# Allegro board SDHCalFEB20180110.brd (continued)
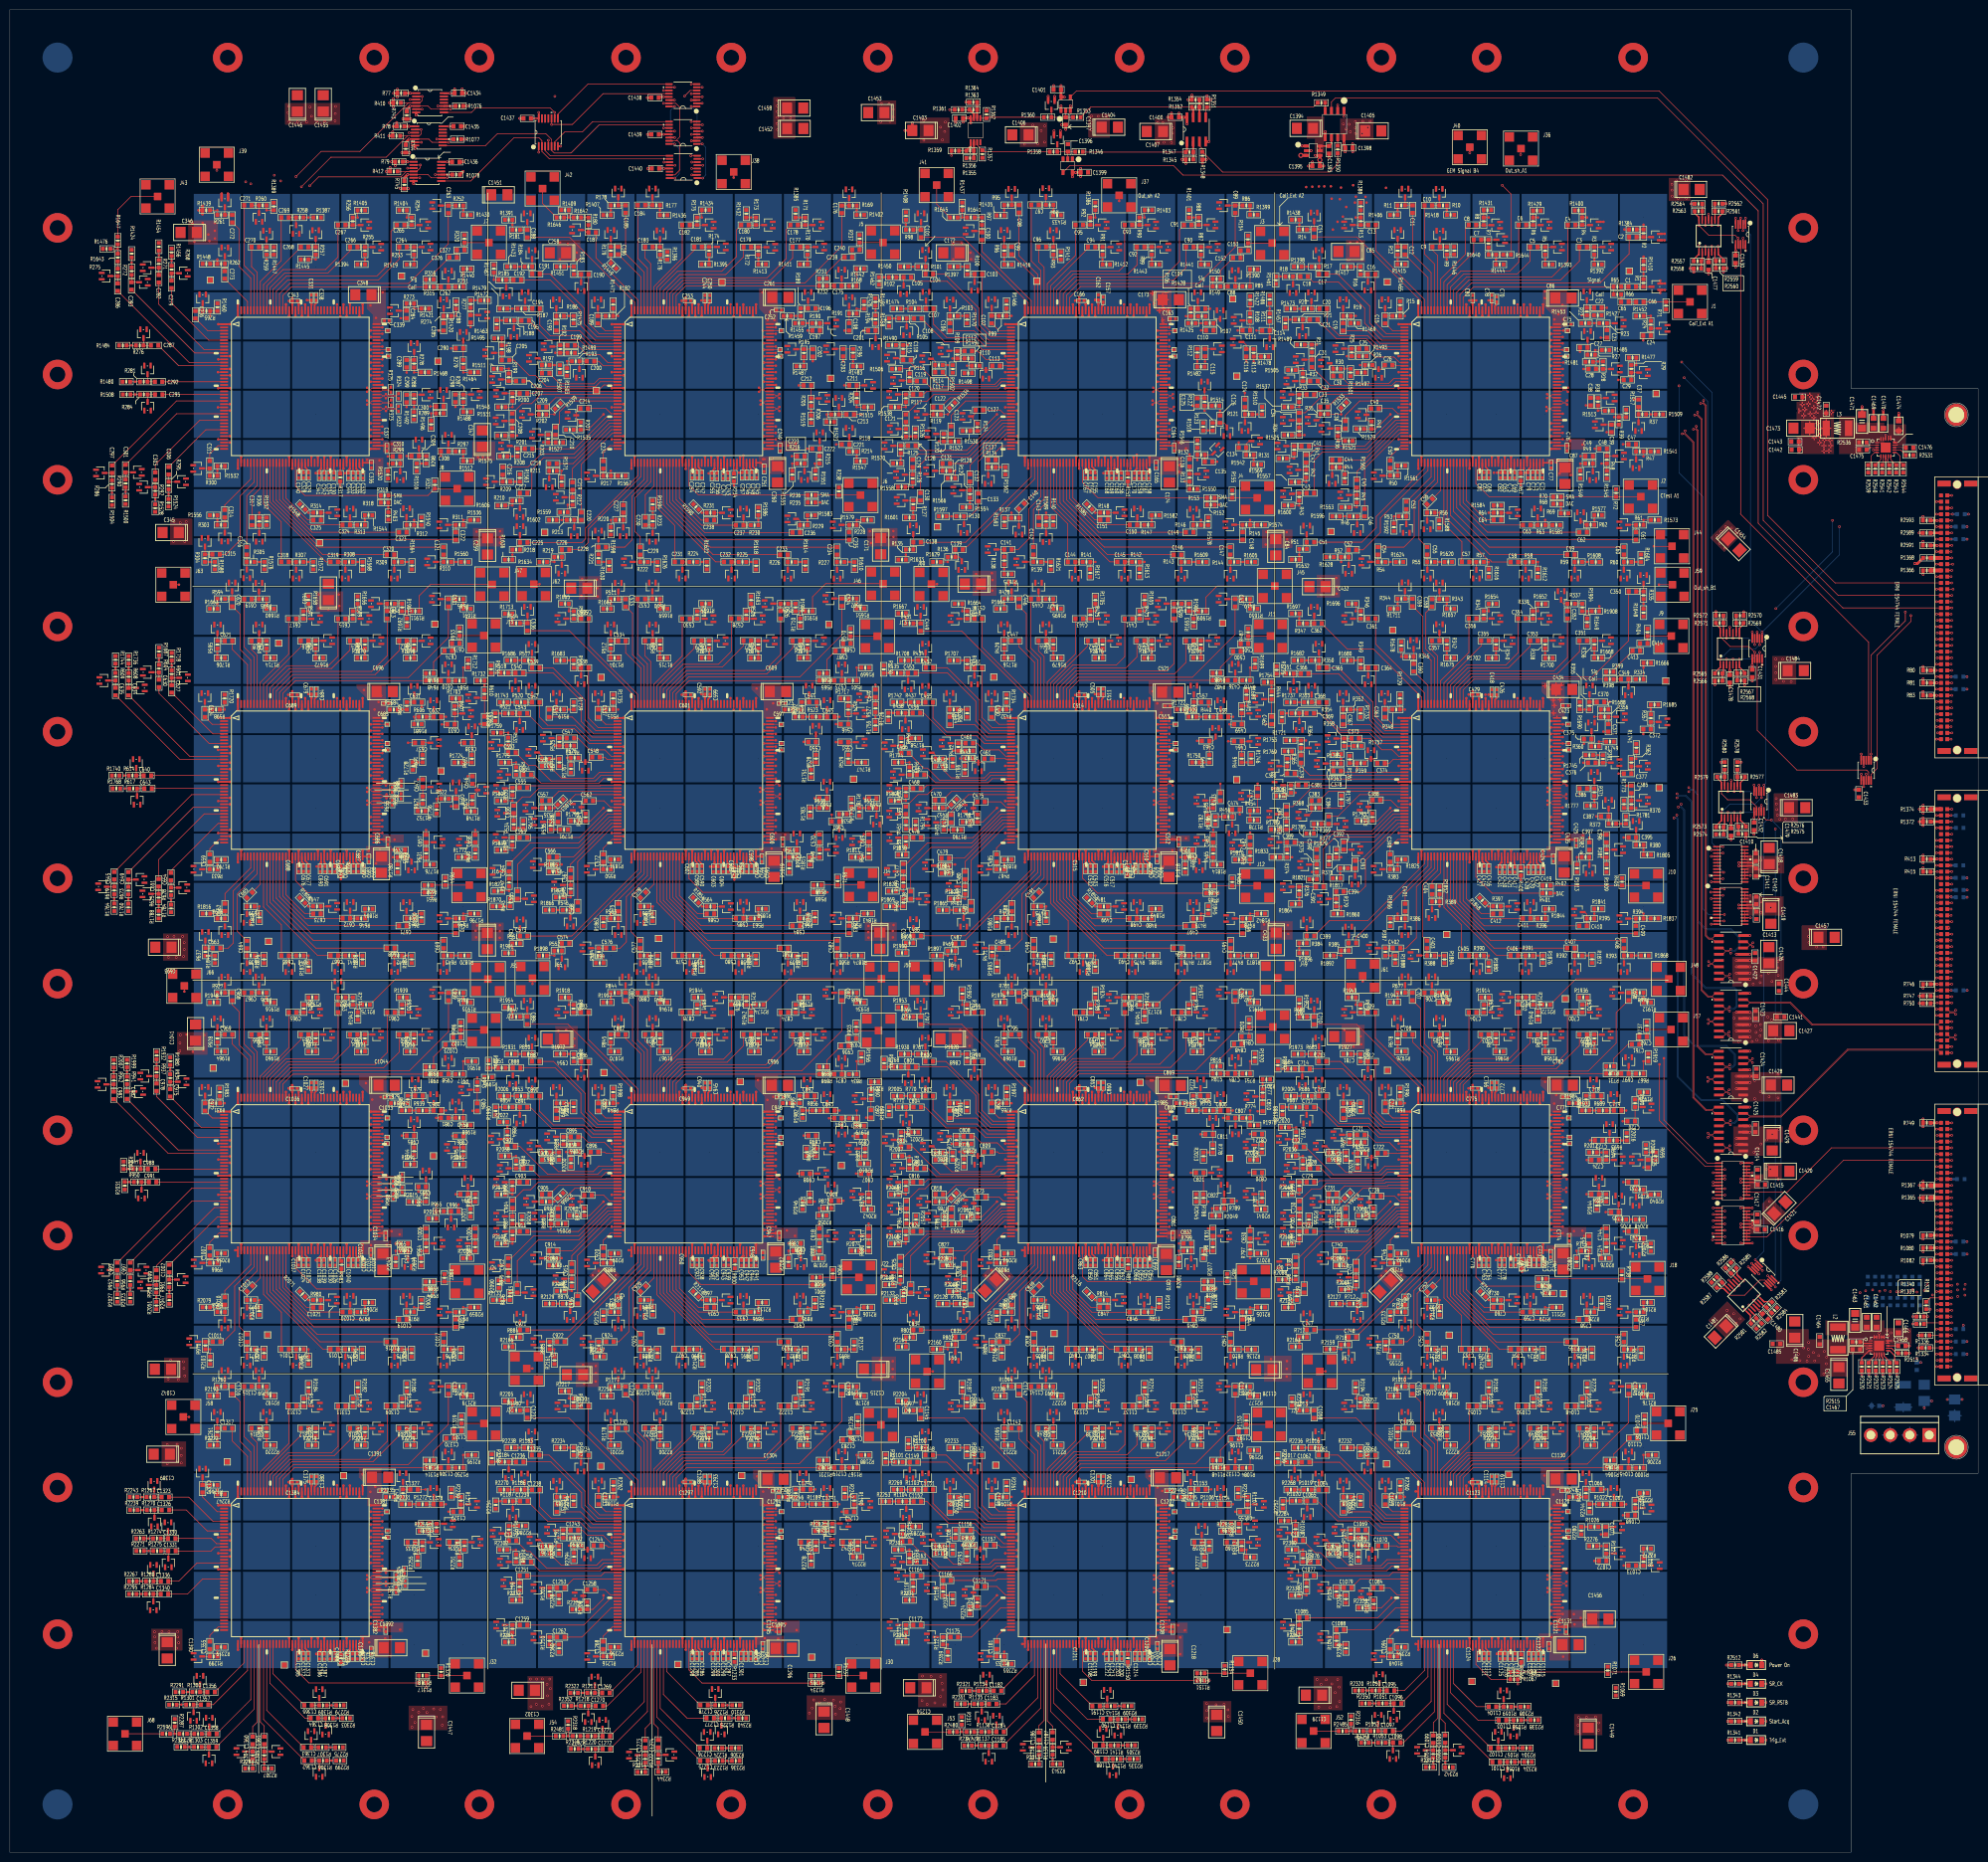
[diagram p0: board, top side]
## Routing (per net, layer and track width the routed paths; a pad name or vN(x,y) marks a point on that pad's centre or on a via; arc(x,y) is an arc through that point) (continued)
  GND3 w0.127: v3(132.2,222.2) v2(130.96,222.2)
GEM_OUT_G26: length 12.1
  TOP w0.127: v1(113.32,222.4) R526.1 114.09,222.39 R1767.2
  GND1 w0.127: v1(113.32,222.4) v2(113.32,221.67)
  SIG3 w0.127: v2(113.32,221.67) 113.33,221.68 v2(121.68,221.68)
  GND3 w0.127: v3(122.2,222.2) v2(121.68,221.68)
GEM_OUT_G27: length 30.8
  TOP w0.127: R527.1 v1(176.02,230.71) 176.02,230.7 R1755.2
  GND1 w0.127: v1(176.02,230.71) v2(175.29,230.71)
  SIG3 w0.127: v2(175.29,230.71) 171.45,230.71 164.74,224 155.3,224 154.69,223.39 153.39,223.39 v2(151.68,221.68)
  GND3 w0.127: v2(151.68,221.68) v3(152.2,222.2)
GEM_OUT_G28: length 4.1
  TOP w0.127: 164.08,221.46 v1(162.94,221.46) 162.94,221.02 R1751.2
  GND1 w0.127: v2(162.2,221.46) v1(162.94,221.46)
  GND3 w0.127: v3(162.2,222.2) v2(162.2,221.46)
GEM_OUT_G29: length 3.4
  TOP w0.127: R1747.2 171.47,221.46 v1(171.46,221.46) 171.46,221.47 R529.1
  GND1 w0.127: v2(172.2,221.46) v1(171.46,221.46)
  GND3 w0.127: v3(172.2,222.2) v2(172.2,221.46)
GEM_OUT_G30: length 3.5
  TOP w0.127: R1771.2 111.72,222.2 v1(110.73,222.2) R530.1
  GND1 w0.127: v2(111.46,222.2) v1(110.73,222.2)
  GND3 w0.127: v3(112.2,222.2) v2(111.46,222.2)
GEM_OUT_G31: length 45.9
  TOP w0.127: R1759.2 100.43,227.49 100.43,227.48 v1(101.35,227.48) R531.1
  GND1 w0.127: v2(101.93,227.94) 101.8,227.94 v1(101.35,227.48)
  SIG3 w0.127: v2(141.3,222.2) 140.73,222.77 123,222.77 117.83,227.94 v2(101.93,227.94)
  GND3 w0.127: v3(142.2,222.2) v2(141.3,222.2)
GEM_OUT_G32: length 3.9
  TOP w0.127: R1775.2 102.47,221.44 102.49,221.46 v1(102.94,221.46) 102.94,220.5 R532.1
  GND1 w0.127: v2(102.2,221.46) v1(102.94,221.46)
  GND3 w0.127: v3(102.2,222.2) v2(102.2,221.46)
GEM_OUT_G33: length 4.1
  TOP w0.127: R533.1 102.2,214.81 v1(102.2,213.67) 101.27,213.67 101.26,213.69 R1807.2
  GND1 w0.127: v2(102.2,212.94) v1(102.2,213.67)
  GND3 w0.127: v3(102.2,212.2) v2(102.2,212.94)
GEM_OUT_G34: length 32.4
  TOP w0.127: R534.1 v1(103.43,208.11) 103.44,208.1 R1795.2
  GND1 w0.127: v1(103.43,208.11) v2(104.17,208.11)
  SIG3 w0.127: v2(104.17,208.11) 120.07,208.11 124.16,212.2 v2(131.46,212.2)
  GND3 w0.127: v3(132.2,212.2) v2(131.46,212.2)
GEM_OUT_G35: length 3.5
  TOP w0.127: R535.1 109.73,212.2 v1(110.73,212.2) 110.74,212.2 R1803.2
  GND1 w0.127: v2(111.46,212.2) v1(110.73,212.2)
  GND3 w0.127: v3(112.2,212.2) v2(111.46,212.2)
GEM_OUT_G36: length 36.1
  TOP w0.127: R1791.2 111.92,207.83 v1(110.95,207.83) R536.1
  GND1 w0.127: v1(110.95,207.83) v2(110.95,207.09)
  SIG3 w0.127: v2(110.95,207.09) 120.91,207.09 124.89,211.07 139.83,211.07 v2(140.95,212.2)
  GND3 w0.127: v3(142.2,212.2) v2(140.95,212.2)
GEM_OUT_G37: length 3.5
  TOP w0.127: R1779.2 v1(173.67,212.2) 174.12,212.2 174.13,212.22 R537.1
  GND1 w0.127: v2(172.94,212.2) v1(173.67,212.2)
  GND3 w0.127: v3(172.2,212.2) v2(172.94,212.2)
GEM_OUT_G38: length 3.4
  TOP w0.127: R1783.2 163.67,212.2 v1(163.67,212.2) 163.69,212.22 R538.1
  GND1 w0.127: v2(162.94,212.2) v1(163.67,212.2)
  GND3 w0.127: v3(162.2,212.2) v2(162.94,212.2)
GEM_OUT_G39: length 23.9
  TOP w0.127: R539.1 v1(171.15,210.96) 171.15,211.41 171.15,211.41 R1787.2
  GND1 w0.127: v2(170.41,210.96) v1(171.15,210.96)
  SIG3 w0.127: v2(170.41,210.96) 169.74,211.63 163.18,211.63 163.17,211.63 162.7,211.63 162.7,211.63 151.79,211.63 v2(151.22,212.2)
  GND3 w0.127: v3(152.2,212.2) v2(151.22,212.2)
GEM_OUT_G40: length 7.7
  TOP w0.127: v1(120.73,212.2) 118.08,209.55 R540.1 R1799.2
  GND1 w0.127: v2(121.46,212.2) v1(120.73,212.2)
  GND3 w0.127: v3(122.2,212.2) v2(121.46,212.2)
GEM_OUT_G41: length 4
  TOP w0.127: R541.1 102.18,203.69 v1(102.2,203.67) 102.18,203.66 R1839.2
  GND1 w0.127: v2(102.2,202.94) v1(102.2,203.67)
  GND3 w0.127: v3(102.2,202.2) v2(102.2,202.94)
GEM_OUT_G42: length 37
  TOP w0.127: R1827.2 v1(101.52,195.33) R542.1
  GND1 w0.127: v2(101.52,196.06) v1(101.52,195.33)
  SIG3 w0.127: v2(101.52,196.06) 126.97,196.06 v2(132.2,201.29)
  GND3 w0.127: v3(132.2,202.2) v2(132.2,201.29)
GEM_OUT_G43: length 3.5
  TOP w0.127: R543.1 101.72,192.2 v1(100.73,192.2) 99.72,192.2 R1870.2
  GND1 w0.127: v2(101.46,192.2) v1(100.73,192.2)
  GND3 w0.127: v3(102.2,192.2) v2(101.46,192.2)
GEM_OUT_G44: length 3.9
  TOP w0.127: R1835.2 R544.1 112.2,200.73 v1(112.2,200.73)
  GND1 w0.127: v2(112.2,201.46) v1(112.2,200.73)
  GND3 w0.127: v3(112.2,202.2) v2(112.2,201.46)
GEM_OUT_G45: length 34.9
  TOP w0.127: R545.1 v1(114.04,194.06) R1823.2
  GND1 w0.127: v2(114.04,194.79) v1(114.04,194.06)
  SIG3 w0.127: v2(114.04,194.79) 135.53,194.79 v2(142.2,201.46)
  GND3 w0.127: v3(142.2,202.2) v2(142.2,201.46)
GEM_OUT_G46: length 3.5
  TOP w0.127: R1866.2 110.47,191.46 v1(111.46,191.46) 112.44,191.46 R546.1
  GND1 w0.127: v2(112.2,191.46) v1(111.46,191.46)
  GND3 w0.127: v3(112.2,192.2) v2(112.2,191.46)
GEM_OUT_G47: length 3.4
  TOP w0.127: R547.1 173.68,202.21 v1(173.67,202.2) 173.66,202.21 R1811.2
  GND1 w0.127: v2(172.94,202.2) v1(173.67,202.2)
  GND3 w0.127: v3(172.2,202.2) v2(172.94,202.2)
GEM_OUT_G48: length 3.4
  TOP w0.127: R1815.2 163.66,202.21 v1(163.67,202.2) 163.68,202.21 R548.1
  GND1 w0.127: v2(162.94,202.2) v1(163.67,202.2)
  GND3 w0.127: v3(162.2,202.2) v2(162.94,202.2)
GEM_OUT_G49: length 7.8
  TOP w0.127: v1(157.53,202.2) 158.49,202.2 R549.1 R1819.2
  GND1 w0.127: v2(156.79,202.2) v1(157.53,202.2)
  SIG3 w0.127: v2(152.94,202.2) v2(156.79,202.2)
  GND3 w0.127: v3(152.2,202.2) v2(152.94,202.2)
GEM_OUT_G50: length 3.5
  TOP w0.127: R1831.2 122.2,200.73 v1(122.2,200.73) R550.1
  GND1 w0.127: v2(122.2,201.46) v1(122.2,200.73)
  GND3 w0.127: v3(122.2,202.2) v2(122.2,201.46)
GEM_OUT_G51: length 3.4
  TOP w0.127: R551.1 102.2,184.66 v1(102.2,183.67) 102.2,182.71 R1901.2
  GND1 w0.127: v2(102.2,182.94) v1(102.2,183.67)
  GND3 w0.127: v3(102.2,182.2) v2(102.2,182.94)
GEM_OUT_G52: length 4
  TOP w0.127: R1898.2 109.18,182.2 v1(110.73,182.2) 110.73,183.19 R552.1
  GND1 w0.127: v2(111.46,182.2) v1(110.73,182.2)
  GND3 w0.127: v3(112.2,182.2) v2(111.46,182.2)
GEM_OUT_G53: length 4
  TOP w0.127: v1(122.2,190.73) R553.1 120.72,189.72 R1862.2
  GND1 w0.127: v2(122.2,191.46) v1(122.2,190.73)
  GND3 w0.127: v3(122.2,192.2) v2(122.2,191.46)
GEM_OUT_G54: length 4
  TOP w0.127: R1894.2 v1(120.73,182.2) 119.76,182.2 R554.1
  GND1 w0.127: v2(121.46,182.2) v1(120.73,182.2)
  GND3 w0.127: v3(122.2,182.2) v2(121.46,182.2)
GEM_OUT_G55: length 3.5
  TOP w0.127: R555.1 129.73,182.2 v1(130.73,182.2) 131.72,182.2 R1890.2
  GND1 w0.127: v2(131.46,182.2) v1(130.73,182.2)
  GND3 w0.127: v3(132.2,182.2) v2(131.46,182.2)
GEM_OUT_G56: length 3.9
  TOP w0.127: R1858.2 130.73,190.75 v1(130.73,192.2) 129.78,192.2 R556.1
  GND1 w0.127: v2(131.46,192.2) v1(130.73,192.2)
  GND3 w0.127: v3(132.2,192.2) v2(131.46,192.2)
GEM_OUT_G57: length 3.9
  TOP w0.127: R1886.2 140.73,180.76 v1(140.73,182.2) 139.76,182.2 R557.1
  GND1 w0.127: v2(141.46,182.2) v1(140.73,182.2)
  GND3 w0.127: v3(142.2,182.2) v2(141.46,182.2)
GEM_OUT_G58: length 3.4
  TOP w0.127: R558.1 149.77,182.2 v1(150.73,182.2) 151.71,182.2 R1882.2
  GND1 w0.127: v2(151.46,182.2) v1(150.73,182.2)
  GND3 w0.127: v3(152.2,182.2) v2(151.46,182.2)
GEM_OUT_G59: length 3.4
  TOP w0.127: R1878.2 161.69,182.2 v1(160.73,182.2) 159.76,182.2 R559.1
  GND1 w0.127: v2(161.46,182.2) v1(160.73,182.2)
  GND3 w0.127: v3(162.2,182.2) v2(161.46,182.2)
GEM_OUT_G60: length 3.4
  TOP w0.127: R1874.2 171.7,182.2 v1(170.73,182.2) 169.76,182.2 R560.1
  GND1 w0.127: v2(171.46,182.2) v1(170.73,182.2)
  GND3 w0.127: v3(172.2,182.2) v2(171.46,182.2)
GEM_OUT_G61: length 3.9
  TOP w0.127: R1843.2 173.68,190.73 v1(172.2,190.73) 172.2,189.77 R561.1
  GND1 w0.127: v2(172.2,191.46) v1(172.2,190.73)
  GND3 w0.127: v3(172.2,192.2) v2(172.2,191.46)
GEM_OUT_G62: length 4
  TOP w0.127: R1846.2 163.7,190.73 v1(162.2,190.73) 162.2,189.76 R562.1
  GND1 w0.127: v2(162.2,191.46) v1(162.2,190.73)
  GND3 w0.127: v3(162.2,192.2) v2(162.2,191.46)
GEM_OUT_G63: length 3.4
  TOP w0.127: R1850.2 152.2,191.69 v1(152.2,190.73) 152.2,189.76 R563.1
  GND1 w0.127: v2(152.2,191.46) v1(152.2,190.73)
  GND3 w0.127: v3(152.2,192.2) v2(152.2,191.46)
GEM_OUT_G64: length 3.5
  TOP w0.127: R564.1 141.69,192.2 v1(140.73,192.2) 140.73,192.23 R1854.2
  GND1 w0.127: v2(141.46,192.2) v1(140.73,192.2)
  GND3 w0.127: v3(142.2,192.2) v2(141.46,192.2)
GEM_OUT_H1: length 5.1
  TOP w0.127: R584.1 92.19,238.67 92.2,238.68 v1(92.2,240.73) 93.17,240.73 R1712.2
  GND1 w0.127: v2(92.2,241.46) v1(92.2,240.73)
  GND3 w0.127: v3(92.2,242.2) v2(92.2,241.46)
GEM_OUT_H2: length 3.4
  TOP w0.127: R585.1 92.19,253.68 v1(92.2,253.67) 92.19,253.67 R1691.2
  GND1 w0.127: v2(92.2,252.94) v1(92.2,253.67)
  GND3 w0.127: v3(92.2,252.2) v2(92.2,252.94)
GEM_OUT_H3: length 3.4
  TOP w0.127: R1698.2 82.2,243.67 v1(82.2,243.67) 82.19,243.68 R586.1
  GND1 w0.127: v2(82.2,242.94) v1(82.2,243.67)
  GND3 w0.127: v3(82.2,242.2) v2(82.2,242.94)
GEM_OUT_H4: length 1.5
  TOP w0.127: R587.1 R1907.1
GEM_OUT_H5: length 3.4
  TOP w0.127: R1670.2 72.2,243.67 v1(72.2,243.67) 72.19,243.69 R588.1
  GND1 w0.127: v2(72.2,242.94) v1(72.2,243.67)
  GND3 w0.127: v3(72.2,242.2) v2(72.2,242.94)
GEM_OUT_H6: length 3.9
  TOP w0.127: R589.1 69.76,252.2 v1(70.73,252.2) 70.73,252.64 70.72,252.65 R1656.2
  GND1 w0.127: v2(71.46,252.2) v1(70.73,252.2)
  GND3 w0.127: v3(72.2,252.2) v2(71.46,252.2)
GEM_OUT_H7: length 3.5
  TOP w0.127: R590.1 62.18,243.69 v1(62.2,243.67) 62.2,242.7 R1672.2
  GND1 w0.127: v2(62.2,242.94) v1(62.2,243.67)
  GND3 w0.127: v3(62.2,242.2) v2(62.2,242.94)
GEM_OUT_H8: length 4
  TOP w0.127: R1658.2 60.71,252.66 60.73,252.64 v1(60.73,252.2) 60.71,252.19 R591.1
  GND1 w0.127: v2(61.46,252.2) v1(60.73,252.2)
  GND3 w0.127: v3(62.2,252.2) v2(61.46,252.2)
GEM_OUT_H9: length 3.4
  TOP w0.127: R592.1 52.2,243.68 v1(52.2,243.67) 52.19,243.66 R1714.2
  GND1 w0.127: v2(52.2,242.94) v1(52.2,243.67)
  GND3 w0.127: v3(52.2,242.2) v2(52.2,242.94)
GEM_OUT_H10: length 3.4
  TOP w0.127: R593.1 52.2,253.68 v1(52.2,253.67) 52.19,253.66 R1660.2
  GND1 w0.127: v2(52.2,252.94) v1(52.2,253.67)
  GND3 w0.127: v3(52.2,252.2) v2(52.2,252.94)
GEM_OUT_H11: length 3.5
  TOP w0.127: R1663.2 42.2,252.68 v1(42.2,253.67) 42.2,253.68 R594.1
  GND1 w0.127: v2(42.2,252.94) v1(42.2,253.67)
  GND3 w0.127: v3(42.2,252.2) v2(42.2,252.94)
GEM_OUT_H12: length 3.4
  TOP w0.127: R1706.2 42.21,243.67 v1(42.2,243.67) 42.21,243.69 R595.1
  GND1 w0.127: v2(42.2,242.94) v1(42.2,243.67)
  GND3 w0.127: v3(42.2,242.2) v2(42.2,242.94)
GEM_OUT_H15: length 4
  TOP w0.127: R1720.2 43.67,233.69 v1(43.67,232.2) 43.67,232.21 R598.1
  GND1 w0.127: v2(42.94,232.2) v1(43.67,232.2)
  GND3 w0.127: v3(42.2,232.2) v2(42.94,232.2)
GEM_OUT_H18: length 25.9
  TOP w0.127: R1718.2 32.92,241.6 32.92,241.59 v1(32.92,241.15) R601.1
  GND1 w0.127: v2(32.92,240.41) v1(32.92,241.15)
  SIG3 w0.127: v2(52.2,232.94) 40.39,232.94 v2(32.92,240.41)
  GND3 w0.127: v3(52.2,232.2) v2(52.2,232.94)
GEM_OUT_H21: length 39.5
  TOP w0.127: R604.1 v1(30.33,242.27) 30.33,242.27 R1687.2
  GND1 w0.127: v2(30.33,241.53) v1(30.33,242.27)
  SIG3 w0.127: v2(62.2,231.46) 40.39,231.46 v2(30.33,241.53)
  GND3 w0.127: v3(62.2,232.2) v2(62.2,231.46)
GEM_OUT_H22: length 10.4
  TOP w0.127: R1684.2 78.84,232.2 v1(79.76,232.2) ; R605.1 80.71,232.2 v1(79.76,232.2) ; v1(79.76,232.2) 79.75,232.2 78.77,232.2
  GND1 w0.127: v2(79.02,232.2) v1(79.76,232.2)
  SIG3 w0.127: v2(72.94,232.2) v2(79.02,232.2)
  GND3 w0.127: v3(72.2,232.2) v2(72.94,232.2)
GEM_OUT_H23: length 3.9
  TOP w0.127: R1681.2 82.2,229.24 v1(82.2,230.73) 83.16,230.73 R606.1
  GND1 w0.127: v2(82.2,231.46) v1(82.2,230.73)
  GND3 w0.127: v3(82.2,232.2) v2(82.2,231.46)
GEM_OUT_H24: length 4
  TOP w0.127: R607.1 91.46,232.93 v1(91.46,232.94) 91.46,233.38 91.45,233.4 R1703.2
  GND1 w0.127: v1(91.46,232.94) v2(92.2,232.94)
  GND3 w0.127: v3(92.2,232.2) v2(92.2,232.94)
GEM_OUT_H25: length 48
  TOP w0.127: R1736.2 24.16,240.59 v1(24.16,240.59) R608.1
  GND1 w0.127: v2(24.16,239.85) v1(24.16,240.59)
  SIG3 w0.127: v2(24.16,239.85) 40.82,223.19 43.74,223.19 44.14,222.79 54.86,222.79 55.45,222.2 v2(61.46,222.2)
  GND3 w0.127: v3(62.2,222.2) v2(61.46,222.2)
GEM_OUT_H26: length 31.8
  TOP w0.127: R1744.2 21.49,240.59 v1(21.49,240.59) R609.1
  GND1 w0.127: v2(21.49,239.85) v1(21.49,240.59)
  SIG3 w0.127: v2(41.46,222.2) 37.23,222.2 21.49,237.94 v2(21.49,239.85)
  GND3 w0.127: v3(42.2,222.2) v2(41.46,222.2)
GEM_OUT_H27: length 38.8
  TOP w0.127: R610.1 v1(96.52,237.11) 96.53,237.12 R1732.2
  GND1 w0.127: v1(96.52,237.11) v2(96.52,236.37)
  SIG3 w0.127: v2(96.52,236.37) 96.52,228.85 94.95,227.28 90.75,227.28 87.48,224 74.3,224 72.49,222.2 v2(71.46,222.2)
  GND3 w0.127: v3(72.2,222.2) v2(71.46,222.2)
GEM_OUT_H28: length 3.4
  TOP w0.127: R611.1 82.95,221.47 v1(82.94,221.46) 82.93,221.47 R1728.2
  GND1 w0.127: v1(82.94,221.46) 82.8,221.46 82.2,221.46 v2(82.2,221.46)
  GND3 w0.127: v3(82.2,222.2) v2(82.2,221.46)
GEM_OUT_H29: length 3.5
  TOP w0.127: R1724.2 92.91,221.44 v1(92.94,221.46) 92.95,221.45 R612.1
  GND1 w0.127: v2(92.2,221.46) v1(92.94,221.46)
  GND3 w0.127: v3(92.2,222.2) v2(92.2,221.46)
GEM_OUT_H31: length 31.3
  TOP w0.127: R614.1 v1(23.24,218.8)
  GND1 w0.127: v1(23.24,218.8) v2(23.98,218.8)
  SIG3 w0.127: v2(23.98,218.8) 39.32,218.8 42.72,222.2 v2(51.26,222.2)
  GND3 w0.127: v3(52.2,222.2) v2(51.26,222.2)
GEM_OUT_H34: length 21.4
  TOP w0.127: v1(23.39,216.15) R617.1
  GND1 w0.127: v2(24.13,216.15) v1(23.39,216.15)
  SIG3 w0.127: v2(24.13,216.15) 28.08,212.2 v2(41.46,212.2)
  GND3 w0.127: v3(42.2,212.2) v2(41.46,212.2)
GEM_OUT_H36: length 41
  TOP w0.127: R1764.2 21.23,193.72 v1(21.23,193.73) R619.1
  GND1 w0.127: v2(21.23,194.46) v1(21.23,193.73)
  SIG3 w0.127: v2(51.46,212.2) 49.91,210.64 37.41,210.64 v2(21.23,194.46)
  GND3 w0.127: v3(52.2,212.2) v2(51.46,212.2)
GEM_OUT_H37: length 4
  TOP w0.127: R620.1 93.95,212.94 v1(93.01,212.94) 93.01,212.49 93.01,212.48 R1748.2
  GND1 w0.127: v2(93.01,212.2) v1(93.01,212.94)
  GND3 w0.127: v3(92.2,212.2) v2(93.01,212.2)
GEM_OUT_H38: length 3.9
  TOP w0.127: R621.1 83.06,213.06 v1(82.94,212.94) 82.94,212.19 82.95,212.17 R1752.2
  GND1 w0.127: v2(82.94,212.2) v1(82.94,212.94)
  GND3 w0.127: v3(82.2,212.2) v2(82.94,212.2)
GEM_OUT_H39: length 19.8
  TOP w0.127: R1756.2 86.79,213.62 86.79,213.63 v1(86.79,214.07) R622.1
  GND1 w0.127: v2(86.06,214.07) v1(86.79,214.07)
  SIG3 w0.127: v2(86.06,214.07) 84.73,214.07 83.57,212.9 75.56,212.9 74.86,212.2 v2(71.16,212.2)
  GND3 w0.127: v3(72.2,212.2) v2(71.16,212.2)
GEM_OUT_H40: length 48.1
  TOP w0.127: R1760.2 24.1,193.7 v1(24.1,193.7) R623.1
  GND1 w0.127: v2(24.1,194.44) v1(24.1,193.7)
  SIG3 w0.127: v2(61.46,212.2) 58.79,209.52 39.19,209.52 v2(24.1,194.44)
  GND3 w0.127: v3(62.2,212.2) v2(61.46,212.2)
GEM_OUT_H42: length 28.9
  TOP w0.127: R625.1 v1(30.27,192.25) 30.27,192.25 R1788.2
  GND1 w0.127: v1(30.27,192.25) v2(30.27,192.99)
  SIG3 w0.127: v2(52.2,201.46) 49.14,198.4 35.68,198.4 v2(30.27,192.99)
  GND3 w0.127: v3(52.2,202.2) v2(52.2,201.46)
GEM_OUT_H45: length 35.8
  TOP w0.127: R628.1 v1(32.78,193.52) 32.79,193.52 R1784.2
  GND1 w0.127: v2(32.78,194.26) v1(32.78,193.52)
  SIG3 w0.127: v2(32.78,194.26) 55,194.26 v2(62.2,201.46)
  GND3 w0.127: v3(62.2,202.2) v2(62.2,201.46)
GEM_OUT_H47: length 3.4
  TOP w0.127: R1772.2 93.66,202.21 v1(93.67,202.2) 93.68,202.21 R630.1
  GND1 w0.127: v2(92.94,202.2) v1(93.67,202.2)
  GND3 w0.127: v3(92.2,202.2) v2(92.94,202.2)
GEM_OUT_H48: length 4
  TOP w0.127: v1(83.67,202.2) 83.68,202.21 R631.1 84.65,200.71 R1776.2
  GND1 w0.127: v2(82.94,202.2) v1(83.67,202.2)
  GND3 w0.127: v3(82.2,202.2) v2(82.94,202.2)
GEM_OUT_H49: length 8.1
  TOP w0.127: v1(77.9,202.2) 78.83,202.2 R632.1 78.84,202.19 R1780.2
  GND1 w0.127: v2(77.17,202.2) v1(77.9,202.2)
  SIG3 w0.127: v2(72.94,202.2) v2(77.17,202.2)
  GND3 w0.127: v3(72.2,202.2) v2(72.94,202.2)
GEM_OUT_H50: length 3.4
  TOP w0.127: R1792.2 42.21,200.73 v1(42.2,200.73) 42.19,200.72 R633.1
  GND1 w0.127: v2(42.2,201.46) v1(42.2,200.73)
  GND3 w0.127: v3(42.2,202.2) v2(42.2,201.46)
GEM_OUT_H53: length 4
  TOP w0.127: R1816.2 40.72,190.73 v1(42.2,190.73) 42.2,189.74 R636.1
  GND1 w0.127: v2(42.2,191.46) v1(42.2,190.73)
  GND3 w0.127: v3(42.2,192.2) v2(42.2,191.46)
GEM_OUT_H54: length 3.4
  TOP w0.127: R637.1 39.77,182.2 v1(40.73,182.2) 41.7,182.2 R1840.2
  GND1 w0.127: v2(41.46,182.2) v1(40.73,182.2)
  GND3 w0.127: v3(42.2,182.2) v2(41.46,182.2)
GEM_OUT_H55: length 3.4
  TOP w0.127: R1836.2 51.68,182.2 v1(50.73,182.2) 49.74,182.2 R638.1
  GND1 w0.127: v2(51.46,182.2) v1(50.73,182.2)
  GND3 w0.127: v3(52.2,182.2) v2(51.46,182.2)
GEM_OUT_H56: length 4
  TOP w0.127: R639.1 49.74,192.2 v1(50.73,192.2) 50.73,190.71 R1812.2
  GND1 w0.127: v2(51.46,192.2) v1(50.73,192.2)
  GND3 w0.127: v3(52.2,192.2) v2(51.46,192.2)
GEM_OUT_H57: length 3.9
  TOP w0.127: R1832.2 60.73,180.73 v1(60.73,182.2) 59.78,182.2 R640.1
  GND1 w0.127: v2(61.46,182.2) v1(60.73,182.2)
  GND3 w0.127: v3(62.2,182.2) v2(61.46,182.2)
GEM_OUT_H58: length 3.4
  TOP w0.127: R1828.2 71.7,182.2 v1(70.73,182.2) 69.78,182.2 R641.1
  GND1 w0.127: v2(71.46,182.2) v1(70.73,182.2)
  GND3 w0.127: v3(72.2,182.2) v2(71.46,182.2)
GEM_OUT_H59: length 3.4
  TOP w0.127: R1824.2 80.73,182.19 v1(80.73,182.2) 79.77,182.2 R642.1
  GND1 w0.127: v2(81.46,182.2) v1(80.73,182.2)
  GND3 w0.127: v3(82.2,182.2) v2(81.46,182.2)
GEM_OUT_H60: length 3.4
  TOP w0.127: R643.1 89.75,182.2 v1(90.73,182.2) 91.67,182.2 R1820.2
  GND1 w0.127: v2(91.46,182.2) v1(90.73,182.2)
  GND3 w0.127: v3(92.2,182.2) v2(91.46,182.2)
GEM_OUT_H61: length 3.9
  TOP w0.127: R644.1 92.2,189.76 v1(92.2,190.73) 93.7,190.73 R1796.2
  GND1 w0.127: v2(92.2,191.46) v1(92.2,190.73)
  GND3 w0.127: v3(92.2,192.2) v2(92.2,191.46)
GEM_OUT_H62: length 3.9
  TOP w0.127: R1800.2 83.69,190.73 v1(82.2,190.73) 82.2,189.76 R645.1
  GND1 w0.127: v2(82.2,191.46) v1(82.2,190.73)
  GND3 w0.127: v3(82.2,192.2) v2(82.2,191.46)
GEM_OUT_H63: length 3.4
  TOP w0.127: R646.1 72.2,189.77 v1(72.2,190.73) 72.2,191.68 R1804.2
  GND1 w0.127: v2(72.2,191.46) v1(72.2,190.73)
  GND3 w0.127: v3(72.2,192.2) v2(72.2,191.46)
GEM_OUT_H64: length 3.4
  TOP w0.127: R647.1 61.69,192.2 v1(60.73,192.2) 60.71,192.2 R1808.2
  GND1 w0.127: v2(61.46,192.2) v1(60.73,192.2)
  GND3 w0.127: v3(62.2,192.2) v2(61.46,192.2)
GEM_OUT_I1: length 5
  TOP w0.127: R667.1 332.2,158.81 332.2,158.82 v1(332.2,160.73) 333.17,160.73 R1919.2
  GND1 w0.127: v2(332.2,161.46) v1(332.2,160.73)
  GND3 w0.127: v3(332.2,162.2) v2(332.2,161.46)
GEM_OUT_I2: length 3.4
  TOP w0.127: R668.1 332.2,174.65 v1(332.2,173.67) 332.2,172.7 R1912.2
  GND1 w0.127: v2(332.2,172.94) v1(332.2,173.67)
  GND3 w0.127: v3(332.2,172.2) v2(332.2,172.94)
GEM_OUT_I3: length 3.4
  TOP w0.127: R1957.2 322.2,162.7 v1(322.2,163.67) R669.1
  GND1 w0.127: v2(322.2,162.94) v1(322.2,163.67)
  GND3 w0.127: v3(322.2,162.2) v2(322.2,162.94)
GEM_OUT_I4: length 4
  TOP w0.127: R670.1 319.76,172.2 v1(320.73,172.2) 320.73,172.2 R1936.2
  GND1 w0.127: v2(321.46,172.2) v1(320.73,172.2)
  GND3 w0.127: v3(322.2,172.2) v2(321.46,172.2)
GEM_OUT_I5: length 3.4
  TOP w0.127: R671.1 312.19,163.68 v1(312.2,163.67) 312.2,162.73 R1958.2
  GND1 w0.127: v2(312.2,162.94) v1(312.2,163.67)
  GND3 w0.127: v3(312.2,162.2) v2(312.2,162.94)
GEM_OUT_I6: length 1.5
  TOP w0.127: R2168.1 R672.1
GEM_OUT_I7: length 3.4
  TOP w0.127: R673.1 302.2,164.64 v1(302.2,163.67) R1961.2
  GND1 w0.127: v2(302.2,162.94) v1(302.2,163.67)
  GND3 w0.127: v3(302.2,162.2) v2(302.2,162.94)
GEM_OUT_I8: length 4
  TOP w0.127: R1914.2 300.73,173.7 v1(300.73,172.2) 299.75,172.2 R674.1
  GND1 w0.127: v2(301.46,172.2) v1(300.73,172.2)
  GND3 w0.127: v3(302.2,172.2) v2(301.46,172.2)
GEM_OUT_I9: length 3.4
  TOP w0.127: R675.1 292.2,164.65 v1(292.2,163.67) 292.2,162.7 R1965.2
  GND1 w0.127: v2(292.2,162.94) v1(292.2,163.67)
  GND3 w0.127: v3(292.2,162.2) v2(292.2,162.94)
GEM_OUT_I10: length 3.4
  TOP w0.127: R676.1 292.2,174.64 v1(292.2,173.67) 292.2,172.72 R1945.2
  GND1 w0.127: v2(292.2,172.94) v1(292.2,173.67)
  GND3 w0.127: v3(292.2,172.2) v2(292.2,172.94)
GEM_OUT_I11: length 3.4
  TOP w0.127: R677.1 282.2,174.65 v1(282.2,173.67) 282.2,172.73 R1947.2
  GND1 w0.127: v2(282.2,172.94) v1(282.2,173.67)
  GND3 w0.127: v3(282.2,172.2) v2(282.2,172.94)
GEM_OUT_I12: length 3.4
  TOP w0.127: R678.1 282.2,164.63 v1(282.2,163.67) 282.2,162.72 R1926.2
  GND1 w0.127: v2(282.2,162.94) v1(282.2,163.67)
  GND3 w0.127: v3(282.2,162.2) v2(282.2,162.94)
GEM_OUT_I13: length 4
  TOP w0.127: R679.1 274.65,172.2 v1(273.67,172.2) 273.67,173.7 R1949.2
  GND1 w0.127: v2(272.94,172.2) v1(273.67,172.2)
  GND3 w0.127: v3(272.2,172.2) v2(272.94,172.2)
GEM_OUT_I14: length 3.5
  TOP w0.127: R680.1 262.2,169.76 v1(262.2,170.73) 262.2,171.73 R1952.2
  GND1 w0.127: v2(262.2,171.46) v1(262.2,170.73)
  GND3 w0.127: v3(262.2,172.2) v2(262.2,171.46)
GEM_OUT_I15: length 3.9
  TOP w0.127: R1996.2 282.71,152.21 R681.1 282.72,152.2 v1(283.67,152.2)
  GND1 w0.127: v2(282.94,152.2) v1(283.67,152.2)
  GND3 w0.127: v3(282.2,152.2) v2(282.94,152.2)
GEM_OUT_I16: length 3.4
  TOP w0.127: R1927.2 272.72,162.2 v1(273.67,162.2) 274.65,162.2 R682.1
  GND1 w0.127: v2(272.94,162.2) v1(273.67,162.2)
  GND3 w0.127: v3(272.2,162.2) v2(272.94,162.2)
GEM_OUT_I17: length 3.4
  TOP w0.127: R683.1 264.65,162.2 v1(263.67,162.2) 262.71,162.2 R1973.2
  GND1 w0.127: v2(262.94,162.2) v1(263.67,162.2)
  GND3 w0.127: v3(262.2,162.2) v2(262.94,162.2)
GEM_OUT_I18: length 38.7
  TOP w0.127: R1992.2 257.85,159.18 v1(258.83,159.18) R684.1
  GND1 w0.127: v2(259.56,159.18) v1(258.83,159.18)
  SIG3 w0.127: v2(259.56,159.18) 285.95,159.18 v2(292.2,152.94)
  GND3 w0.127: v3(292.2,152.2) v2(292.2,152.94)
GEM_OUT_I19: length 3.4
  TOP w0.127: R685.1 272.71,152.2 v1(273.67,152.2) 274.64,152.2 R2000.2
  GND1 w0.127: v2(272.94,152.2) v1(273.67,152.2)
  GND3 w0.127: v3(272.2,152.2) v2(272.94,152.2)
GEM_OUT_I20: length 3.4
  TOP w0.127: R686.1 263.17,153.67 v1(262.2,153.67) 261.22,153.67 R2004.2
  GND1 w0.127: v2(262.2,152.94) v1(262.2,153.67)
  GND3 w0.127: v3(262.2,152.2) v2(262.2,152.94)
GEM_OUT_I21: length 45.1
  TOP w0.127: R1988.2 258.78,151.41 v1(259.74,151.41) R687.1
  GND1 w0.127: v1(259.74,151.41) v2(260.48,151.41)
  SIG3 w0.127: v2(302.2,151.46) 261.08,151.46 261.02,151.41 v2(260.48,151.41)
  GND3 w0.127: v3(302.2,152.2) v2(302.2,151.46)
GEM_OUT_I22: length 8.3
  TOP w0.127: R688.1 320.52,152.2 v1(319.56,152.2)
  GND1 w0.127: v2(318.82,152.2) v1(319.56,152.2)
  SIG3 w0.127: v2(318.82,152.2) v2(312.94,152.2)
  GND3 w0.127: v3(312.2,152.2) v2(312.94,152.2)
GEM_OUT_I23: length 3.4
  TOP w0.127: R1933.2 321.21,150.73 v1(322.2,150.73) 323.17,150.73 R689.1
  GND1 w0.127: v2(322.2,151.46) v1(322.2,150.73)
  GND3 w0.127: v3(322.2,152.2) v2(322.2,151.46)
GEM_OUT_I24: length 4
  TOP w0.127: R1974.2 331.46,154.43 v1(331.46,152.94) 330.49,152.94 R690.1
  GND1 w0.127: v2(332.2,152.94) v1(331.46,152.94)
  GND3 w0.127: v3(332.2,152.2) v2(332.2,152.94)
GEM_OUT_I25: length 24
  TOP w0.127: R2024.2 272.48,144.27 R691.1 v1(271.5,144.26)
  GND1 w0.127: v2(272.02,143.73) v1(271.5,144.26)
  SIG3 w0.127: v2(272.02,143.73) 280.88,143.73 282.41,142.2 v2(291.4,142.2)
  GND3 w0.127: v3(292.2,142.2) v2(291.4,142.2)
GEM_OUT_I26: length 11.9
  TOP w0.127: R2028.2 274.06,142.04 R692.1 v1(273.1,142.05)
  GND1 w0.127: v2(273.84,142.05) v1(273.1,142.05)
  SIG3 w0.127: v2(273.84,142.05) 274.38,142.05 274.75,141.68 v2(281.68,141.68)
  GND3 w0.127: v3(282.2,142.2) v2(281.68,141.68)
GEM_OUT_I27: length 20
  TOP w0.127: R693.1 v1(327.79,144.65) 328.77,144.65 R2016.2
  GND1 w0.127: v2(327.05,144.65) v1(327.79,144.65)
  SIG3 w0.127: v2(311.68,141.68) 312.44,141.68 314.07,143.31 325.7,143.31 v2(327.05,144.65)
  GND3 w0.127: v3(312.2,142.2) v2(311.68,141.68)
GEM_OUT_I28: length 3.4
  TOP w0.127: R694.1 324.63,142.2 v1(323.67,142.2) 322.71,142.2 R2012.2
  GND1 w0.127: v2(322.94,142.2) v1(323.67,142.2)
  GND3 w0.127: v3(322.2,142.2) v2(322.94,142.2)
GEM_OUT_I29: length 3.4
  TOP w0.127: R695.1 334.64,142.2 v1(333.67,142.2) 332.7,142.2 R2008.2
  GND1 w0.127: v2(332.94,142.2) v1(333.67,142.2)
  GND3 w0.127: v3(332.2,142.2) v2(332.94,142.2)
GEM_OUT_I30: length 3.4
  TOP w0.127: R2032.2 270.73,142.2 v1(270.73,142.2) 270.72,142.19 R696.1
  GND1 w0.127: v2(271.46,142.2) v1(270.73,142.2)
  GND3 w0.127: v3(272.2,142.2) v2(271.46,142.2)
GEM_OUT_I31: length 45.9
  TOP w0.127: R2020.2 260.08,147.29 v1(261.57,147.29) R697.1
  GND1 w0.127: v1(261.57,147.29) v2(261.57,146.56)
  SIG3 w0.127: v2(301.28,142.2) 293.99,142.2 293.42,142.77 283.03,142.77 278.86,146.94 261.96,146.94 v2(261.57,146.56)
  GND3 w0.127: v3(302.2,142.2) v2(301.28,142.2)
GEM_OUT_I32: length 3.9
  TOP w0.127: R2036.2 261.48,141.46 v1(262.94,141.46) 262.94,140.51 R698.1
  GND1 w0.127: v1(262.94,141.46) v2(262.2,141.46)
  GND3 w0.127: v3(262.2,142.2) v2(262.2,141.46)
GEM_OUT_I33: length 3.9
  TOP w0.127: R2068.2 260.73,133.67 v1(262.2,133.67) 262.2,134.65 R699.1
  GND1 w0.127: v2(262.2,132.94) v1(262.2,133.67)
  GND3 w0.127: v3(262.2,132.2) v2(262.2,132.94)
GEM_OUT_I34: length 32.8
  TOP w0.127: R2056.2 264.16,127.77 v1(263.19,127.77) R700.1
  GND1 w0.127: v2(263.93,127.77) v1(263.19,127.77)
  SIG3 w0.127: v2(291.46,132.2) 283.71,132.2 279.28,127.77 v2(263.93,127.77)
  GND3 w0.127: v3(292.2,132.2) v2(291.46,132.2)
